# KiCad board beagle.kicad_pcb (continued)
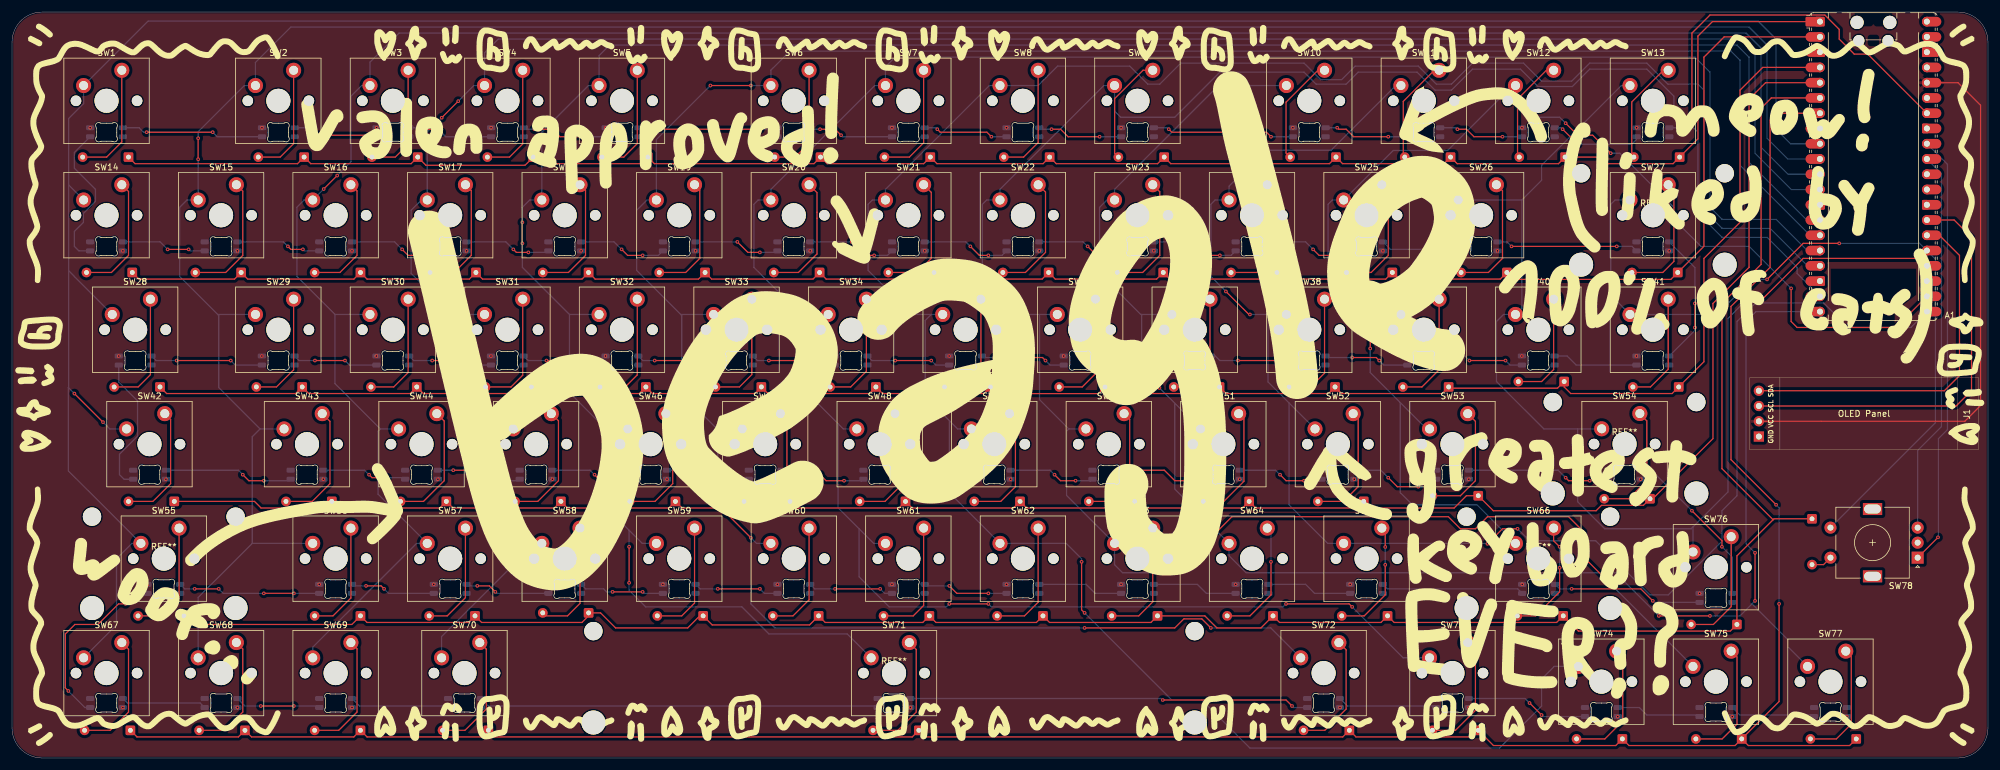
[diagram p0: board, top side]
## Routing (per net, layer and track width the routed paths; a pad name or vN(x,y) marks a point on that pad's centre or on a via; arc(x,y) is an arc through that point) (continued)
Net-(D80-DOUT): length 14.2
  Top w0.2: v1(247.88,103.4) 243.12,103.4 241.88,104.65 v1(240.38,104.65)
  Bottom w0.2: D81.2 240.12,104.9 v1(240.38,104.65) ; v1(247.88,103.4) D80.4
Net-(D81-DOUT): length 14.2
  Top w0.2: v1(220.38,104.9) 220.62,104.65 221.88,104.65 223.12,103.4 v1(228.88,103.4)
  Bottom w0.2: v1(220.38,104.9) D82.2 ; v1(228.88,103.4) D81.4
Net-(D82-DOUT): length 23.7
  Top w0.2: v1(209.38,103.4) 208.62,104.15 192.88,104.15 v1(192.38,104.65)
  Bottom w0.2: v1(192.38,104.65) 192.12,104.9 D83.2 ; v1(209.38,103.4) D82.4
Net-(D83-DOUT): length 14.2
  Top w0.2: v1(180.88,103.4) 175.62,103.4 174.38,104.65 v1(172.88,104.65)
  Bottom w0.2: v1(180.88,103.4) D83.4 ; D84.2 171.09,104.65 v1(172.88,104.65)
Net-(D84-DOUT): length 14.2
  Top w0.2: v1(162.88,103.4) 162.12,104.15 154.38,104.15 v1(153.88,104.65)
  Bottom w0.2: v1(153.88,104.65) 153.62,104.9 D85.2 ; v1(162.88,103.4) D84.4
Net-(D85-DOUT): length 14.2
  Top w0.2: v1(134.38,104.65) 136.88,104.65 v1(137.88,103.65)
  Bottom w0.2: v1(134.38,104.65) 132.99,104.65 D86.2 ; v1(137.88,103.65) 138.12,103.4 D85.4
Net-(D86-DOUT): length 23.7
  Top w0.2: v1(124.38,104.65) v1(106.88,104.65)
  Bottom w0.2: D87.2 106.62,104.9 v1(106.88,104.65) ; D86.4 126.04,104.65 v1(124.38,104.65)
Net-(D87-DOUT): length 14.2
  Top w0.2: v1(95.88,103.4) 91.12,103.4 89.88,104.65 v1(86.88,104.65)
  Bottom w0.2: D88.2 85.37,104.65 v1(86.88,104.65) ; v1(95.88,103.4) D87.4
Net-(D88-DOUT): length 14.2
  Top w0.2: v1(71.38,104.15) 70.88,104.65 v1(68.38,104.65)
  Bottom w0.2: v1(71.38,104.15) 72.12,103.4 D88.4 ; v1(68.38,104.65) 68.12,104.9 D89.2
Net-(D89-DOUT): length 14.2
  Top w0.2: v1(58.88,103.4) 58.62,103.65 v1(50.88,103.65)
  Bottom w0.2: v1(58.88,103.4) D89.4 ; v1(50.88,103.65) 50.38,103.65 49.12,104.9 D90.2
Net-(D90-DOUT): length 23.8
  Top w0.2: v1(33.38,104.15) v1(22.38,104.15)
  Bottom w0.2: v1(22.38,104.15) 21.88,104.15 21.12,104.9 D91.2 ; v1(33.38,104.15) 34.12,103.4 D90.4
Net-(D91-DOUT): length 25.2
  Bottom w0.2: D91.4 10.38,100.78 10.38,98.15 13.88,94.65 13.88,92.65 11.88,90.65 11.88,89.15 10.38,87.65 10.38,85.15 11.12,84.4 D92.2
Net-(D92-DOUT): length 14.2
  Top w0.2: v1(25.88,84.65) v1(29.38,84.65)
  Bottom w0.2: v1(25.88,84.65) 24.62,85.9 D92.4 ; v1(29.38,84.65) 29.62,84.4 D93.2
Net-(D93-DOUT): length 14.2
  Top w0.2: v1(48.38,84.65) 46.38,84.65 v1(45.88,85.15)
  Bottom w0.2: v1(45.88,85.15) 45.12,85.9 D93.4 ; D94.2 48.62,84.4 v1(48.38,84.65)
Net-(D94-DOUT): length 14.8
  Top w0.2: v1(67.38,83.65) 65.88,83.65 v1(64.88,84.65)
  Bottom w0.2: D94.4 63.62,85.9 v1(64.88,84.65) ; v1(67.38,83.65) 69.39,83.65 D95.2
Net-(D95-DOUT): length 14.4
  Top w0.2: v1(85.88,84.15) 83.88,84.15 v1(83.38,84.65)
  Bottom w0.2: v1(85.88,84.15) 88.94,84.15 D96.2 ; v1(83.38,84.65) 82.12,85.9 D95.4
Net-(D96-DOUT): length 14.8
  Top w0.2: v1(101.38,84.65) 102.38,83.65 v1(104.88,83.65)
  Bottom w0.2: D96.4 100.12,85.9 v1(101.38,84.65) ; v1(104.88,83.65) 107.49,83.65 D97.2
Net-(D97-DOUT): length 14.4
  Top w0.2: v1(120.62,85.9) 122.38,84.15 v1(124.38,84.15)
  Bottom w0.2: D98.2 127.04,84.15 v1(124.38,84.15) ; v1(120.62,85.9) D97.4
Net-(D98-DOUT): length 14.8
  Top w0.2: v1(139.62,85.9) 141.88,83.65 v1(143.38,83.65)
  Bottom w0.2: D99.2 145.59,83.65 v1(143.38,83.65) ; v1(139.62,85.9) D98.4
Net-(D100-DIN): length 14.8
  Top w0.2: v1(159.38,85.15) 160.88,83.65 v1(162.38,83.65)
  Bottom w0.2: D99.4 158.62,85.9 v1(159.38,85.15) ; v1(162.38,83.65) 164.64,83.65 D100.2
Net-(D100-DOUT): length 14.8
  Top w0.2: v1(181.88,83.65) 180.38,83.65 v1(178.88,85.15)
  Bottom w0.2: v1(181.88,83.65) 183.69,83.65 D101.2 ; v1(178.88,85.15) 178.12,85.9 D100.4
Net-(D101-DOUT): length 14.8
  Top w0.2: v1(196.88,85.65) 198.88,83.65 v1(200.88,83.65)
  Bottom w0.2: v1(196.88,85.65) 196.62,85.9 D101.4 ; D102.2 202.74,83.65 v1(200.88,83.65)
Net-(D102-DOUT): length 14.8
  Top w0.2: v1(219.88,83.65) 217.38,83.65 v1(216.38,84.65)
  Bottom w0.2: D103.2 221.79,83.65 v1(219.88,83.65) ; v1(216.38,84.65) 215.12,85.9 D102.4
Net-(D103-DOUT): length 14.2
  Bottom w0.2: D103.4 229.24,84.65 241.34,84.65 D104.2
Net-(D104-DOUT): length 23.7
  Top w0.2: v1(249.38,85.15) v1(266.88,85.15)
  Bottom w0.2: v1(266.88,85.15) 269.4,85.15 270.1,84.45 270.1,84.4 ; v1(249.38,85.15) 248.62,85.9 D104.4
Net-(D105-DOUT): length 22.5
  Top w0.2: v1(279.88,75.65) v1(279.88,71.65)
  Bottom w0.2: D105.4 279.88,81.62 v1(279.88,75.65) ; D106.2 279.88,71.18 v1(279.88,71.65)
Net-(D106-DOUT): length 14.2
  Bottom w0.2: D107.2 258.62,66.9 260.12,65.4 D106.4
Net-(D107-DOUT): length 14.2
  Top w0.2: v1(248.38,66.15) v1(242.38,66.15)
  Bottom w0.2: D107.4 249.12,65.4 v1(248.38,66.15) ; D108.2 241.62,66.9 v1(242.38,66.15)
Net-(D108-DOUT): length 14.2
  Top w0.2: v1(227.38,66.15) 226.88,66.65 v1(222.88,66.65)
  Bottom w0.2: v1(227.38,66.15) 228.12,65.4 232.05,65.4 ; v1(222.88,66.65) 218.7,66.65 D109.2
Net-(D109-DOUT): length 14.2
  Top w0.2: v1(210.38,66.15) v1(203.88,66.15)
  Bottom w0.2: v1(203.88,66.15) 200.88,66.15 200.12,66.9 D110.2 ; v1(210.38,66.15) 211.12,65.4 D109.4
Net-(D110-DOUT): length 14.2
  Top w0.2: v1(189.38,66.15) v1(182.88,66.15)
  Bottom w0.2: D111.2 182.12,66.9 v1(182.88,66.15) ; v1(189.38,66.15) 190.12,65.4 D110.4
Net-(D111-DOUT): length 14.2
  Top w0.2: v1(171.88,66.15) 171.38,66.65 v1(163.38,66.65)
  Bottom w0.2: v1(163.38,66.65) 161.55,66.65 D112.2 ; D111.4 172.62,65.4 v1(171.88,66.15)
Net-(D112-DOUT): length 14.2
  Top w0.2: v1(152.88,66.15) v1(146.88,66.15)
  Bottom w0.2: v1(146.88,66.15) 143,66.15 D113.2 ; D112.4 153.62,65.4 v1(152.88,66.15)
Net-(D113-DOUT): length 14.2
  Top w0.2: v1(133.88,66.15) v1(125.88,66.15)
  Bottom w0.2: v1(133.88,66.15) 134.62,65.4 D113.4 ; v1(125.88,66.15) 123.95,66.15 D114.2
Net-(D114-DOUT): length 14.2
  Top w0.2: v1(112.88,66.15) v1(106.88,66.15)
  Bottom w0.2: v1(112.88,66.15) 113.62,65.4 D114.4 ; v1(106.88,66.15) 104.9,66.15 D115.2
Net-(D115-DOUT): length 14.2
  Top w0.2: v1(94.38,66.15) v1(88.88,66.15)
  Bottom w0.2: v1(88.88,66.15) 85.85,66.15 D116.2 ; 98.7,65.4 95.12,65.4 v1(94.38,66.15)
Net-(D116-DOUT): length 14.2
  Top w0.2: v1(74.88,66.15) v1(69.88,66.15)
  Bottom w0.2: v1(74.88,66.15) 75.62,65.4 D116.4 ; v1(69.88,66.15) 66.8,66.15 D117.2
Net-(D117-DOUT): length 14.2
  Top w0.2: v1(55.38,66.15) v1(50.38,66.15)
  Bottom w0.2: D118.2 47.75,66.15 v1(50.38,66.15) ; v1(55.38,66.15) 56.12,65.4 60.6,65.4
Net-(D118-DOUT): length 19
  Top w0.2: v1(36.38,66.15) v1(27.38,66.15)
  Bottom w0.2: v1(36.38,66.15) 37.12,65.4 D118.4 ; D119.2 23.95,66.15 v1(27.38,66.15)
Net-(D119-DOUT): length 23.4
  Bottom w0.2: D119.4 17.75,62.54 20.88,59.42 20.88,53.57 17.88,50.57 17.88,47.15 18.62,46.4 D120.2
Net-(D120-DOUT): length 21.6
  Top w0.2: v1(38.38,47.15) 39.38,46.15 v1(41.88,46.15)
  Bottom w0.2: D121.2 46.08,46.15 v1(41.88,46.15) ; v1(38.38,47.15) 37.62,47.9 D120.4
Net-(D121-DOUT): length 14.2
  Top w0.2: v1(62.38,46.65) 59.88,46.65 v1(59.38,47.15)
  Bottom w0.2: v1(62.38,46.65) 65.13,46.65 65.38,46.4 ; D121.4 58.62,47.9 v1(59.38,47.15)
Net-(D122-DOUT): length 14.4
  Top w0.2: v1(81.88,46.15) 78.88,46.15 77.12,47.9 v1(73.38,47.9)
  Bottom w0.2: D123.2 84.18,46.15 v1(81.88,46.15) ; v1(73.38,47.9) D122.4
Net-(D123-DOUT): length 14.4
  Top w0.2: v1(100.38,46.15) 97.88,46.15 v1(96.88,47.15)
  Bottom w0.2: 103.48,46.4 103.23,46.15 v1(100.38,46.15) ; D123.4 96.12,47.9 v1(96.88,47.15)
Net-(D124-DOUT): length 14.8
  Top w0.2: v1(118.88,45.65) 117.38,45.65 v1(115.88,47.15)
  Bottom w0.2: D124.4 115.12,47.9 v1(115.88,47.15) ; v1(118.88,45.65) 121.78,45.65 D125.2
Net-(D125-DOUT): length 14.4
  Top w0.2: v1(134.38,47.15) 135.38,46.15 v1(138.38,46.15)
  Bottom w0.2: v1(138.38,46.15) 141.33,46.15 D126.2 ; v1(134.38,47.15) 133.62,47.9 D125.4
Net-(D126-DOUT): length 14.8
  Top w0.2: v1(153.62,47.9) 155.88,45.65 v1(157.38,45.65)
  Bottom w0.2: v1(157.38,45.65) 159.88,45.65 D127.2 ; v1(153.62,47.9) D126.4
Net-(D127-DOUT): length 14.4
  Top w0.2: v1(176.88,46.15) 174.38,46.15 v1(173.38,47.15)
  Bottom w0.2: v1(173.38,47.15) 172.62,47.9 D127.4 ; D128.2 179.43,46.15 v1(176.88,46.15)
Net-(D128-DOUT): length 14.4
  Top w0.2: v1(195.38,46.15) 193.38,46.15 191.62,47.9 v1(186.88,47.9)
  Bottom w0.2: D129.2 198.48,46.15 v1(195.38,46.15) ; v1(186.88,47.9) D128.4
Net-(D129-DOUT): length 14.4
  Top w0.2: v1(210.88,47.15) 211.88,46.15 v1(214.88,46.15)
  Bottom w0.2: D130.2 217.53,46.15 v1(214.88,46.15) ; D129.4 210.12,47.9 v1(210.88,47.15)
Net-(D130-DOUT): length 15.3
  Top w0.2: v1(233.88,45.15) 230.38,45.15 v1(228.88,46.65)
  Bottom w0.2: D131.2 236.12,46.4 234.88,45.15 v1(233.88,45.15) ; D130.4 227.62,47.9 v1(228.88,46.65)
Net-(D131-DOUT): length 24
  Top w0.2: v1(258.38,46.65) 258.88,46.15 v1(262.38,46.15)
  Bottom w0.2: v1(258.38,46.65) 257.12,47.9 242.28,47.9 ; D132.2 265.15,46.15 v1(262.38,46.15)
Net-(D132-DOUT): length 27.9
  Top w0.2: v1(284.38,35.15) 284.38,36.15 v1(279.38,41.15)
  Bottom w0.2: D132.4 272.62,47.9 v1(279.38,41.15) ; v1(284.38,35.15) 286.1,33.43 D133.2
Net-(D133-DOUT): length 25.3
  Top w0.2: v1(259.38,28.15) 270.88,28.15 v1(272.88,26.15)
  Bottom w0.2: D134.2 257.35,28.15 v1(259.38,28.15) ; D133.4 273.12,25.9 v1(272.88,26.15)
Net-(D134-DOUT): length 23.8
  Bottom w0.2: D134.4 250.4,28.15 228.74,28.15 D135.2
Net-(D135-DOUT): length 14.2
  Bottom w0.2: D136.2 215.12,28.9 216.62,27.4 D135.4
Net-(D136-DOUT): length 14.2
  Bottom w0.2: D137.2 197.12,28.9 198.62,27.4 D136.4
Net-(D137-DOUT): length 14.2
  Bottom w0.2: D138.2 178.62,28.9 180.12,27.4 D137.4
Net-(D138-DOUT): length 14.2
  Top w0.2: v1(162.38,27.4) 157.12,27.4 v1(155.88,28.65)
  Bottom w0.2: v1(155.88,28.65) 152.04,28.65 D139.2 ; D138.4 v1(162.38,27.4)
Net-(D139-DOUT): length 14.2
  Top w0.2: v1(144.38,28.15) v1(136.88,28.15)
  Bottom w0.2: D140.2 133.49,28.15 v1(136.88,28.15) ; D139.4 145.12,27.4 v1(144.38,28.15)
Net-(D140-DOUT): length 14.2
  Top w0.2: v1(124.38,28.15) v1(117.38,28.15)
  Bottom w0.2: v1(124.38,28.15) 125.12,27.4 D140.4 ; D141.2 114.44,28.15 v1(117.38,28.15)
Net-(D141-DOUT): length 14.2
  Top w0.2: v1(104.88,27.65) v1(99.88,27.65)
  Bottom w0.2: D142.2 95.39,28.15 98.38,28.15 98.88,27.65 v1(99.88,27.65) ; v1(104.88,27.65) 105.12,27.4 D141.4
Net-(D142-DOUT): length 14.2
  Top w0.2: v1(80.38,27.65) 79.38,28.65 v1(77.38,28.65)
  Bottom w0.2: v1(80.38,27.65) 80.62,27.4 D142.4 ; 75.59,28.9 75.84,28.65 v1(77.38,28.65)
Net-(D143-DOUT): length 14.2
  Top w0.2: v1(58.88,28.65) 61.38,28.65 v1(61.88,28.15)
  Bottom w0.2: D144.2 56.79,28.65 v1(58.88,28.65) ; v1(61.88,28.15) 62.62,27.4 D143.4
Net-(D144-DOUT): length 23.7
  Top w0.2: v1(34.38,28.15) v1(30.38,28.15) ; v1(41.88,27.4) v1(46.88,27.4)
  Bottom w0.2: D144.4 v1(46.88,27.4) ; v1(30.38,28.15) 28.72,28.15 D145.2 ; v1(34.38,28.15) 35.12,27.4 v1(41.88,27.4)
Net-(D145-DOUT): length 30.9
  Top w0.2: v1(18.88,25.65) 17.71,25.65 14.29,22.22 10.45,22.22 8.88,20.65 8.88,11.65 v1(9.38,11.15)
  Bottom w0.2: v1(18.88,25.65) 20.62,27.4 D145.4 ; D146.2 12.12,8.4 v1(9.38,11.15)
Net-(D146-DOUT): length 14.2
  Bottom w0.2: D147.2 31.29,9.15 19.19,9.15 D146.4
Net-(D147-DOUT): length 14.2
  Top w0.2: v1(41.38,8.65) v1(46.88,8.65)
  Bottom w0.2: v1(46.88,8.65) 50.84,8.65 D148.2 ; D147.4 38.74,8.65 v1(41.38,8.65)
Net-(D148-DOUT): length 16.6
  Bottom w0.2: D148.4 57.79,8.65 72.27,8.65 D149.2
Net-(D149-DOUT): length 66.6
  Bottom w0.2: D149.4 79.22,8.65 143.71,8.65 D150.2
Net-(D150-DOUT): length 66.6
  Top w0.2: v1(212.88,8.65) 211.88,9.65 v1(191.38,9.65)
  Bottom w0.2: D151.2 213.12,8.4 v1(212.88,8.65) ; v1(191.38,9.65) 191.12,9.9 D150.4
Net-(D151-DOUT): length 16.6
  Bottom w0.2: D152.2 236.58,8.65 222.1,8.65 D151.4
Net-(D152-DOUT): length 20.6
  Top w0.2: v1(252.38,9.15) v1(254.38,7.15)
  Bottom w0.2: v1(252.38,9.15) 251.62,9.9 D152.4 ; v1(254.38,7.15) 254.62,6.9 D153.2
Net-(D153-DOUT): length 14.2
  Bottom w0.2: D154.2 280.39,7.15 271.88,7.15 270.62,8.4 D153.4
Net-(D154-DOUT): length 14.2
  Bottom w0.2: D154.4 287.34,7.15 299.44,7.15 D155.2

## Copper pours and planes (outline as drawn; the poured copper is in the pictures)
+3V3 on Top: 338.14,150.81 338.14,-6.35 -4.76,-6.35 -4.76,150.81
GND on Bottom: 347.66,160.34 347.66,-15.88 -14.29,-15.88 -14.29,160.34
